# KiCad board porcupine_6x3_routed.kicad_pcb (continued)
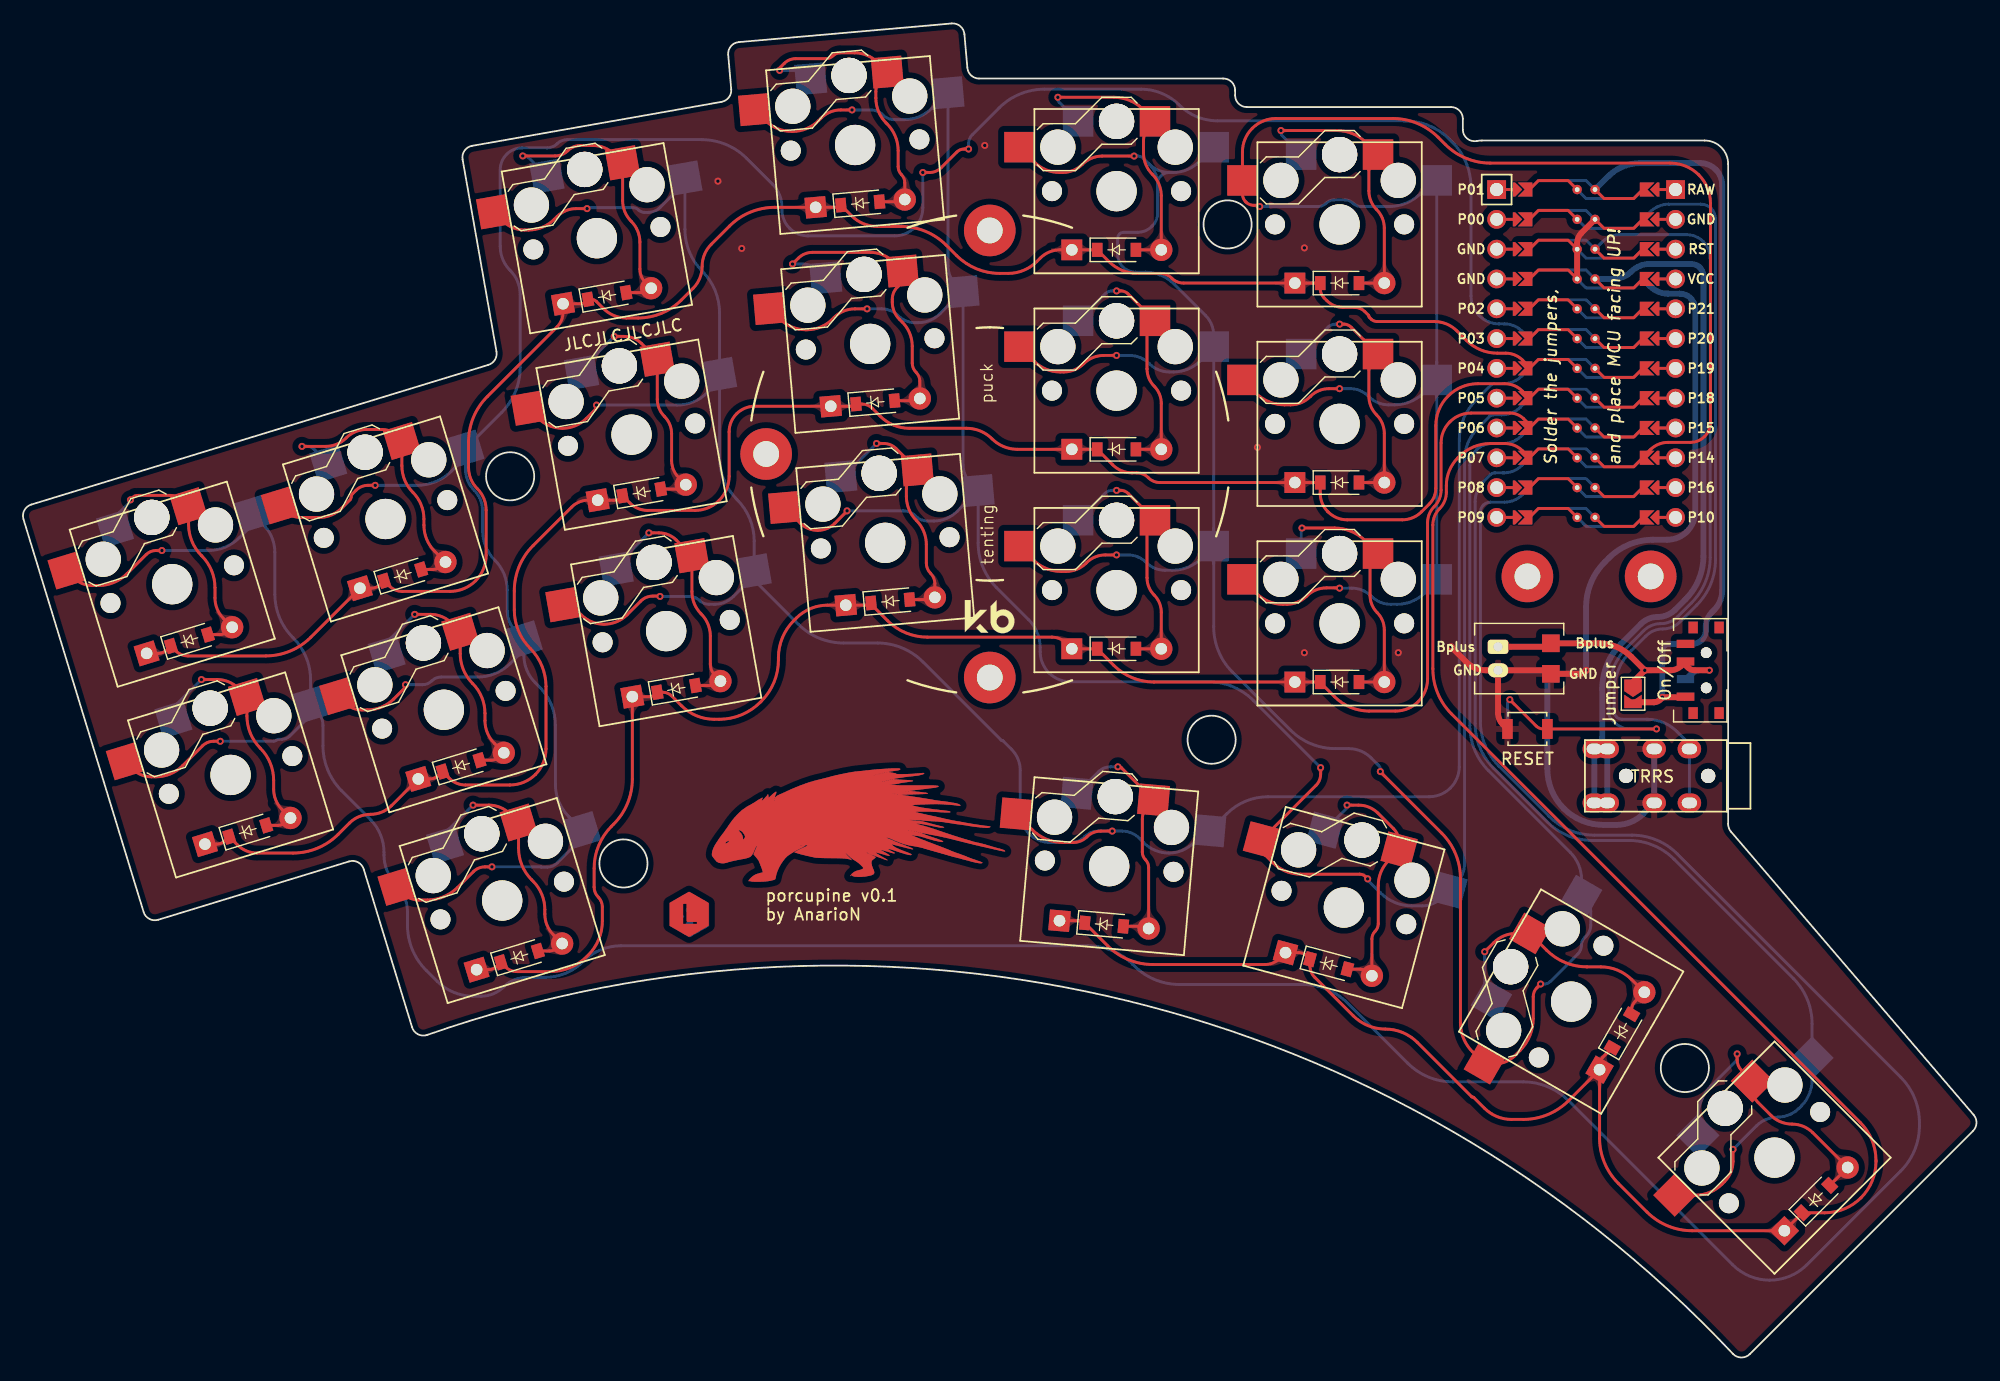
[diagram p0: board, top side]
## Copper pours and planes (outline as drawn; the poured copper is in the pictures) (continued)
far_thumb on Top: 154.14,14.76 154.31,14.91 154.46,15.02 154.61,15.09 154.75,15.13 154.89,15.16 155.03,15.17 155.18,15.18 155.34,15.2 155.51,15.24 155.71,15.3 155.74,16.53 154.5,16.51 154.44,16.31 154.41,16.13 154.39,15.97 154.38,15.82 154.36,15.68 154.34,15.54 154.29,15.4 154.22,15.26 154.12,15.11 153.96,14.94
far_thumb on Top: 153.96,17.45 154.12,17.28 154.22,17.13 154.29,16.99 154.34,16.85 154.36,16.71 154.38,16.57 154.39,16.42 154.41,16.26 154.44,16.08 154.5,15.88 155.74,15.86 155.71,17.09 155.51,17.15 155.34,17.19 155.18,17.21 155.03,17.22 154.89,17.23 154.75,17.26 154.61,17.3 154.46,17.37 154.31,17.48 154.14,17.63
far_thumb on Bottom: 154.14,14.76 154.31,14.91 154.46,15.02 154.61,15.09 154.75,15.13 154.89,15.16 155.03,15.17 155.18,15.18 155.34,15.2 155.51,15.24 155.71,15.3 155.74,16.53 154.5,16.51 154.44,16.31 154.41,16.13 154.39,15.97 154.38,15.82 154.36,15.68 154.34,15.54 154.29,15.4 154.22,15.26 154.12,15.11 153.96,14.94
home_thumb on Top: 137.12,29.67 137.14,29.85 137.2,29.97 137.29,30.06 137.4,30.11 137.54,30.13 137.69,30.15 137.86,30.15 138.04,30.16 138.21,30.19 138.39,30.23 138.41,31.47 137.12,31.13 137.12,30.95 137.1,30.8 137.07,30.67 137.04,30.55 136.96,30.31 136.93,30.19 136.9,30.04 136.88,29.87 136.87,29.67
home_thumb on Top: 136.64,32.39 136.79,32.22 136.9,32.07 136.97,31.92 137.02,31.78 137.04,31.64 137.05,31.5 137.07,31.35 137.09,31.19 137.12,31.02 137.18,30.82 138.41,30.79 138.39,32.03 138.19,32.09 138.02,32.12 137.86,32.14 137.71,32.15 137.56,32.17 137.43,32.19 137.29,32.24 137.14,32.31 136.99,32.41 136.82,32.57
home_thumb on Bottom: 137.12,29.67 137.14,29.85 137.2,29.97 137.29,30.06 137.4,30.11 137.54,30.13 137.69,30.15 137.86,30.15 138.04,30.16 138.21,30.19 138.39,30.23 138.41,31.47 137.12,31.13 137.12,30.95 137.1,30.8 137.07,30.67 137.04,30.55 136.96,30.31 136.93,30.19 136.9,30.04 136.88,29.87 136.87,29.67
index_bottom on Top: 95.03,60.28 95.25,60.27 95.44,60.23 95.59,60.18 95.72,60.11 95.83,60.03 95.94,59.94 96.06,59.84 96.18,59.74 96.33,59.64 96.51,59.54 97.4,60.4 96.51,61.26 96.33,61.16 96.18,61.06 96.06,60.96 95.94,60.86 95.83,60.77 95.72,60.69 95.59,60.62 95.44,60.57 95.25,60.54 95.03,60.53
index_bottom on Top: 96.8,62.3 96.79,62.08 96.76,61.89 96.71,61.74 96.64,61.61 96.56,61.5 96.47,61.39 96.37,61.27 96.27,61.15 96.17,61 96.07,60.82 96.93,59.93 97.79,60.82 97.69,61 97.59,61.15 97.49,61.27 97.39,61.39 97.3,61.5 97.22,61.61 97.15,61.74 97.1,61.89 97.06,62.08 97.05,62.3
index_bottom on Bottom: 95.03,60.28 95.25,60.27 95.44,60.23 95.59,60.18 95.72,60.11 95.83,60.03 95.94,59.94 96.06,59.84 96.18,59.74 96.33,59.64 96.51,59.54 97.4,60.4 96.51,61.26 96.33,61.16 96.18,61.06 96.06,60.96 95.94,60.86 95.83,60.77 95.72,60.69 95.59,60.62 95.44,60.57 95.25,60.54 95.03,60.53
index_home on Top: 95.03,77.28 95.25,77.27 95.44,77.23 95.59,77.18 95.72,77.11 95.83,77.03 95.94,76.94 96.06,76.84 96.18,76.74 96.33,76.64 96.51,76.54 97.4,77.4 96.51,78.26 96.33,78.16 96.18,78.06 96.06,77.96 95.94,77.86 95.83,77.77 95.72,77.69 95.59,77.62 95.44,77.57 95.25,77.54 95.03,77.53
index_home on Top: 96.8,79.3 96.79,79.08 96.76,78.89 96.71,78.74 96.64,78.61 96.56,78.5 96.47,78.39 96.37,78.27 96.27,78.15 96.17,78 96.07,77.82 96.93,76.93 97.79,77.82 97.69,78 97.59,78.15 97.49,78.27 97.39,78.39 97.3,78.5 97.22,78.61 97.15,78.74 97.1,78.89 97.06,79.08 97.05,79.3
index_home on Bottom: 95.03,77.28 95.25,77.27 95.44,77.23 95.59,77.18 95.72,77.11 95.83,77.03 95.94,76.94 96.06,76.84 96.18,76.74 96.33,76.64 96.51,76.54 97.4,77.4 96.51,78.26 96.33,78.16 96.18,78.06 96.06,77.96 95.94,77.86 95.83,77.77 95.72,77.69 95.59,77.62 95.44,77.57 95.25,77.54 95.03,77.53
index_top on Top: 96.8,96.3 96.79,96.08 96.76,95.89 96.71,95.74 96.64,95.61 96.56,95.5 96.47,95.39 96.37,95.27 96.27,95.15 96.17,95 96.07,94.82 96.93,93.93 97.79,94.82 97.69,95 97.59,95.15 97.49,95.27 97.39,95.39 97.3,95.5 97.22,95.61 97.15,95.74 97.1,95.89 97.06,96.08 97.05,96.3
index_top on Top: 95.03,94.28 95.25,94.27 95.44,94.23 95.59,94.18 95.72,94.11 95.83,94.03 95.94,93.94 96.06,93.84 96.18,93.74 96.33,93.64 96.51,93.54 97.4,94.4 96.51,95.26 96.33,95.16 96.18,95.06 96.06,94.96 95.94,94.86 95.83,94.77 95.72,94.69 95.59,94.62 95.44,94.57 95.25,94.54 95.03,94.53
index_top on Bottom: 95.03,94.28 95.25,94.27 95.44,94.23 95.59,94.18 95.72,94.11 95.83,94.03 95.94,93.94 96.06,93.84 96.18,93.74 96.33,93.64 96.51,93.54 97.4,94.4 96.51,95.26 96.33,95.16 96.18,95.06 96.06,94.96 95.94,94.86 95.83,94.77 95.72,94.69 95.59,94.62 95.44,94.57 95.25,94.54 95.03,94.53
inner_bottom on Top: 115.8,59.47 115.79,59.25 115.76,59.06 115.71,58.91 115.64,58.78 115.56,58.66 115.47,58.55 115.37,58.44 115.27,58.31 115.17,58.16 115.07,57.98 115.93,57.09 116.79,57.98 116.69,58.16 116.59,58.31 116.49,58.44 116.39,58.55 116.3,58.66 116.22,58.78 116.15,58.91 116.1,59.06 116.06,59.25 116.05,59.47
inner_bottom on Top: 114.03,57.44 114.25,57.43 114.44,57.4 114.59,57.35 114.72,57.28 114.83,57.2 114.94,57.11 115.06,57.01 115.18,56.91 115.33,56.81 115.51,56.71 116.4,57.57 115.51,58.43 115.33,58.33 115.18,58.23 115.06,58.13 114.94,58.03 114.83,57.94 114.72,57.86 114.59,57.79 114.44,57.74 114.25,57.71 114.03,57.69
inner_bottom on Bottom: 114.03,57.44 114.25,57.43 114.44,57.4 114.59,57.35 114.72,57.28 114.83,57.2 114.94,57.11 115.06,57.01 115.18,56.91 115.33,56.81 115.51,56.71 116.4,57.57 115.51,58.43 115.33,58.33 115.18,58.23 115.06,58.13 114.94,58.03 114.83,57.94 114.72,57.86 114.59,57.79 114.44,57.74 114.25,57.71 114.03,57.69
inner_home on Top: 115.8,76.47 115.79,76.25 115.76,76.06 115.71,75.91 115.64,75.78 115.56,75.66 115.47,75.55 115.37,75.44 115.27,75.31 115.17,75.16 115.07,74.98 115.93,74.09 116.79,74.98 116.69,75.16 116.59,75.31 116.49,75.44 116.39,75.55 116.3,75.66 116.22,75.78 116.15,75.91 116.1,76.06 116.06,76.25 116.05,76.47
inner_home on Top: 114.03,74.44 114.25,74.43 114.44,74.4 114.59,74.35 114.72,74.28 114.83,74.2 114.94,74.11 115.06,74.01 115.18,73.91 115.33,73.81 115.51,73.71 116.4,74.57 115.51,75.43 115.33,75.33 115.18,75.23 115.06,75.13 114.94,75.03 114.83,74.94 114.72,74.86 114.59,74.79 114.44,74.74 114.25,74.71 114.03,74.69
inner_home on Bottom: 114.03,74.44 114.25,74.43 114.44,74.4 114.59,74.35 114.72,74.28 114.83,74.2 114.94,74.11 115.06,74.01 115.18,73.91 115.33,73.81 115.51,73.71 116.4,74.57 115.51,75.43 115.33,75.33 115.18,75.23 115.06,75.13 114.94,75.03 114.83,74.94 114.72,74.86 114.59,74.79 114.44,74.74 114.25,74.71 114.03,74.69
inner_thumb on Top: 93.96,36.63 94.17,36.61 94.34,36.58 94.48,36.53 94.6,36.46 94.7,36.37 94.8,36.27 94.9,36.16 95,36.05 95.13,35.93 95.27,35.8 96.32,36.47 95.61,37.48 95.41,37.42 95.23,37.35 95.09,37.27 94.96,37.19 94.83,37.11 94.7,37.03 94.56,36.97 94.4,36.92 94.2,36.89 93.96,36.88
inner_thumb on Top: 95.73,38.47 95.71,38.24 95.68,38.06 95.63,37.9 95.56,37.77 95.48,37.66 95.39,37.55 95.29,37.43 95.19,37.31 95.09,37.16 94.99,36.98 95.85,36.09 96.71,36.98 96.61,37.16 96.51,37.31 96.41,37.43 96.31,37.55 96.22,37.66 96.14,37.77 96.07,37.9 96.02,38.06 95.99,38.24 95.98,38.47
inner_thumb on Bottom: 93.96,36.63 94.17,36.61 94.34,36.58 94.48,36.53 94.6,36.46 94.7,36.37 94.8,36.27 94.9,36.16 95,36.05 95.13,35.93 95.27,35.8 96.32,36.47 95.61,37.48 95.41,37.42 95.23,37.35 95.09,37.27 94.96,37.19 94.83,37.11 94.7,37.03 94.56,36.97 94.4,36.92 94.2,36.89 93.96,36.88
inner_top on Top: 115.8,93.47 115.79,93.25 115.76,93.06 115.71,92.91 115.64,92.78 115.56,92.66 115.47,92.55 115.37,92.44 115.27,92.31 115.17,92.16 115.07,91.98 115.93,91.09 116.79,91.98 116.69,92.16 116.59,92.31 116.49,92.44 116.39,92.55 116.3,92.66 116.22,92.78 116.15,92.91 116.1,93.06 116.06,93.25 116.05,93.47
inner_top on Top: 114.03,91.44 114.25,91.43 114.44,91.4 114.59,91.35 114.72,91.28 114.83,91.2 114.94,91.11 115.06,91.01 115.18,90.91 115.33,90.81 115.51,90.71 116.4,91.57 115.51,92.43 115.33,92.33 115.18,92.23 115.06,92.13 114.94,92.03 114.83,91.94 114.72,91.86 114.59,91.79 114.44,91.74 114.25,91.71 114.03,91.69
inner_top on Bottom: 114.03,91.44 114.25,91.43 114.44,91.4 114.59,91.35 114.72,91.28 114.83,91.2 114.94,91.11 115.06,91.01 115.18,90.91 115.33,90.81 115.51,90.71 116.4,91.57 115.51,92.43 115.33,92.33 115.18,92.23 115.06,92.13 114.94,92.03 114.83,91.94 114.72,91.86 114.59,91.79 114.44,91.74 114.25,91.71 114.03,91.69
middle_bottom on Top: 75.75,64.47 75.99,64.46 76.19,64.42 76.35,64.37 76.5,64.31 76.62,64.24 76.75,64.16 76.88,64.08 77.03,64 77.2,63.92 77.4,63.86 78.11,64.88 77.07,65.54 76.92,65.42 76.79,65.3 76.69,65.18 76.59,65.07 76.49,64.97 76.39,64.89 76.27,64.82 76.13,64.76 75.96,64.73 75.75,64.72
middle_bottom on Top: 77.39,66.54 77.51,66.39 77.55,66.26 77.54,66.13 77.48,66.01 77.39,65.89 77.27,65.77 77.14,65.65 77.01,65.51 76.88,65.36 76.78,65.2 77.64,64.31 78.32,65.46 78.2,65.59 78.11,65.71 78.05,65.83 78,65.95 77.96,66.06 77.92,66.18 77.87,66.3 77.8,66.43 77.7,66.57 77.57,66.72
middle_bottom on Bottom: 75.75,64.47 75.99,64.46 76.19,64.42 76.35,64.37 76.5,64.31 76.62,64.24 76.75,64.16 76.88,64.08 77.03,64 77.2,63.92 77.4,63.86 78.11,64.88 77.07,65.54 76.92,65.42 76.79,65.3 76.69,65.18 76.59,65.07 76.49,64.97 76.39,64.89 76.27,64.82 76.13,64.76 75.96,64.73 75.75,64.72
middle_home on Top: 74.47,81.42 74.71,81.41 74.91,81.38 75.07,81.33 75.21,81.26 75.34,81.19 75.47,81.11 75.6,81.03 75.74,80.95 75.91,80.88 76.12,80.81 76.83,81.83 75.78,82.49 75.63,82.37 75.51,82.25 75.4,82.13 75.31,82.03 75.21,81.93 75.11,81.84 74.99,81.77 74.85,81.72 74.68,81.68 74.47,81.67
middle_home on Top: 76.27,83.56 76.4,83.4 76.44,83.26 76.41,83.13 76.33,83 76.22,82.88 76.07,82.76 75.91,82.63 75.76,82.49 75.61,82.33 75.5,82.15 76.36,81.26 77.03,82.41 76.92,82.54 76.85,82.67 76.8,82.8 76.78,82.92 76.76,83.05 76.74,83.18 76.71,83.31 76.66,83.44 76.58,83.59 76.45,83.74
middle_home on Bottom: 74.47,81.42 74.71,81.41 74.91,81.38 75.07,81.33 75.21,81.26 75.34,81.19 75.47,81.11 75.6,81.03 75.74,80.95 75.91,80.88 76.12,80.81 76.83,81.83 75.78,82.49 75.63,82.37 75.51,82.25 75.4,82.13 75.31,82.03 75.21,81.93 75.11,81.84 74.99,81.77 74.85,81.72 74.68,81.68 74.47,81.67
middle_top on Top: 73.19,98.37 73.43,98.36 73.62,98.33 73.79,98.28 73.93,98.22 74.06,98.14 74.18,98.06 74.32,97.98 74.46,97.9 74.63,97.83 74.84,97.77 75.54,98.78 74.5,99.45 74.35,99.32 74.23,99.2 74.12,99.09 74.03,98.98 73.93,98.88 73.83,98.79 73.71,98.72 73.57,98.67 73.4,98.64 73.19,98.62
middle_top on Top: 74.94,100.49 75.06,100.33 75.1,100.19 75.08,100.07 75.01,99.94 74.9,99.82 74.76,99.7 74.61,99.57 74.46,99.43 74.33,99.28 74.22,99.1 75.08,98.21 75.75,99.36 75.64,99.49 75.56,99.62 75.51,99.75 75.48,99.87 75.45,99.99 75.43,100.12 75.39,100.24 75.33,100.38 75.25,100.52 75.12,100.67
middle_top on Bottom: 73.19,98.37 73.43,98.36 73.62,98.33 73.79,98.28 73.93,98.22 74.06,98.14 74.18,98.06 74.32,97.98 74.46,97.9 74.63,97.83 74.84,97.77 75.54,98.78 74.5,99.45 74.35,99.32 74.23,99.2 74.12,99.09 74.03,98.98 73.93,98.88 73.83,98.79 73.71,98.72 73.57,98.67 73.4,98.64 73.19,98.62
near_thumb on Top: 114.75,34.44 114.73,34.21 114.7,34.03 114.65,33.87 114.58,33.75 114.5,33.63 114.41,33.52 114.31,33.41 114.21,33.28 114.11,33.13 114.01,32.95 114.87,32.06 115.73,32.95 115.63,33.13 115.53,33.28 115.43,33.41 115.33,33.52 115.24,33.63 115.16,33.75 115.09,33.87 115.04,34.03 115.01,34.21 115,34.44
near_thumb on Top: 113.14,32.97 113.31,32.96 113.45,32.92 113.56,32.87 113.65,32.8 113.72,32.71 113.79,32.6 113.84,32.49 113.9,32.36 113.96,32.22 114.03,32.08 115.26,32.26 114.87,33.49 114.66,33.48 114.48,33.46 114.32,33.43 114.18,33.39 114.04,33.35 113.9,33.31 113.75,33.28 113.58,33.25 113.38,33.23 113.14,33.22
near_thumb on Bottom: 113.14,32.97 113.31,32.96 113.45,32.92 113.56,32.87 113.65,32.8 113.72,32.71 113.79,32.6 113.84,32.49 113.9,32.36 113.96,32.22 114.03,32.08 115.26,32.26 114.87,33.49 114.66,33.48 114.48,33.46 114.32,33.43 114.18,33.39 114.04,33.35 113.9,33.31 113.75,33.28 113.58,33.25 113.38,33.23 113.14,33.22
outer_home on Top: 21.07,45.23 21.31,45.22 21.5,45.21 21.67,45.18 21.81,45.16 22.08,45.1 22.22,45.07 22.37,45.05 22.54,45.04 22.75,45.03 23.11,46.3 21.87,46.35 21.82,46.21 21.72,45.95 21.67,45.84 21.62,45.73 21.55,45.65 21.47,45.57 21.37,45.52 21.24,45.49 21.07,45.48
outer_home on Top: 21.31,47.24 21.47,47.07 21.57,46.92 21.64,46.77 21.69,46.63 21.71,46.49 21.73,46.35 21.74,46.2 21.76,46.04 21.79,45.87 21.85,45.67 23.09,45.65 23.06,46.88 22.86,46.94 22.69,46.97 22.53,46.99 22.38,47.01 22.24,47.02 22.1,47.04 21.96,47.09 21.81,47.16 21.66,47.27 21.49,47.42
outer_home on Bottom: 21.07,45.23 21.31,45.22 21.5,45.21 21.67,45.18 21.81,45.16 22.08,45.1 22.22,45.07 22.37,45.05 22.54,45.04 22.75,45.03 23.11,46.3 21.87,46.35 21.82,46.21 21.72,45.95 21.67,45.84 21.62,45.73 21.55,45.65 21.47,45.57 21.37,45.52 21.24,45.49 21.07,45.48
outer_top on Top: 16.1,61.48 16.34,61.48 16.53,61.46 16.7,61.44 16.84,61.41 17.11,61.36 17.25,61.33 17.4,61.31 17.57,61.29 17.78,61.29 18.14,62.55 16.9,62.61 16.84,62.47 16.75,62.21 16.7,62.09 16.65,61.99 16.58,61.9 16.5,61.83 16.39,61.78 16.26,61.74 16.1,61.73
outer_top on Top: 16.34,63.5 16.5,63.33 16.6,63.17 16.67,63.03 16.72,62.89 16.74,62.75 16.76,62.61 16.77,62.46 16.79,62.3 16.82,62.12 16.88,61.93 18.11,61.9 18.09,63.14 17.89,63.2 17.72,63.23 17.56,63.25 17.41,63.26 17.27,63.28 17.13,63.3 16.99,63.35 16.84,63.42 16.69,63.52 16.52,63.67
outer_top on Bottom: 16.1,61.48 16.34,61.48 16.53,61.46 16.7,61.44 16.84,61.41 17.11,61.36 17.25,61.33 17.4,61.31 17.57,61.29 17.78,61.29 18.14,62.55 16.9,62.61 16.84,62.47 16.75,62.21 16.7,62.09 16.65,61.99 16.58,61.9 16.5,61.83 16.39,61.78 16.26,61.74 16.1,61.73
P0 on Bottom: 142.04,50.28 142.05,50.47 142.08,50.62 142.12,50.75 142.18,50.86 142.24,50.95 142.31,51.05 142.39,51.14 142.47,51.25 142.56,51.37 142.64,51.52 141.92,52.27 141.2,51.52 141.28,51.37 141.36,51.25 141.44,51.14 141.52,51.05 141.59,50.95 141.66,50.86 141.71,50.75 141.76,50.62 141.78,50.47 141.79,50.28
P0 on Bottom: 141.79,48.86 141.78,48.67 141.76,48.52 141.71,48.39 141.66,48.28 141.59,48.18 141.52,48.09 141.44,48 141.36,47.89 141.28,47.77 141.2,47.62 141.92,46.87 142.64,47.62 142.56,47.77 142.47,47.89 142.39,48 142.31,48.09 142.24,48.18 142.18,48.28 142.12,48.39 142.08,48.52 142.05,48.67 142.04,48.86
P0 on Bottom: 140.95,53.08 141.05,52.96 141.13,52.85 141.17,52.74 141.2,52.64 141.2,52.53 141.19,52.42 141.17,52.31 141.15,52.19 141.13,52.05 141.12,51.9 142.08,51.5 142.44,52.47 142.29,52.59 142.16,52.67 142.03,52.74 141.91,52.79 141.79,52.83 141.67,52.88 141.55,52.93 141.42,53.01 141.28,53.12 141.12,53.26
P4 on Top: 30.25,65.9 30.12,65.79 30,65.75 29.89,65.75 29.78,65.8 29.67,65.87 29.56,65.96 29.45,66.07 29.33,66.18 29.19,66.28 29.05,66.37 28.22,65.57 29.29,64.94 29.41,65.05 29.53,65.14 29.63,65.21 29.74,65.26 29.94,65.36 30.05,65.42 30.16,65.49 30.29,65.59 30.43,65.72
P4 on Top: 47.65,89.91 47.5,89.8 47.37,89.76 47.25,89.78 47.13,89.85 47.02,89.96 46.91,90.09 46.79,90.23 46.66,90.38 46.52,90.5 46.35,90.61 45.52,89.81 46.59,89.18 46.72,89.28 46.84,89.35 46.95,89.39 47.07,89.42 47.19,89.44 47.31,89.46 47.43,89.49 47.55,89.54 47.68,89.62 47.82,89.74
P4 on Top: 69.25,98.15 69.05,98.16 68.87,98.19 68.73,98.24 68.61,98.3 68.5,98.37 68.4,98.46 68.3,98.55 68.18,98.64 68.04,98.73 67.87,98.82 67.04,98.02 67.87,97.22 68.04,97.31 68.18,97.41 68.3,97.5 68.4,97.59 68.5,97.67 68.61,97.75 68.73,97.81 68.87,97.86 69.05,97.89 69.25,97.9
P4 on Top: 106.54,91.44 106.75,91.43 106.92,91.4 107.06,91.35 107.18,91.29 107.29,91.22 107.39,91.13 107.5,91.04 107.62,90.95 107.75,90.86 107.92,90.77 108.75,91.57 107.92,92.37 107.75,92.28 107.62,92.18 107.5,92.09 107.39,92 107.29,91.92 107.18,91.85 107.06,91.78 106.92,91.74 106.75,91.7 106.54,91.69
P4 on Top: 27.5,64.23 27.65,64.37 27.8,64.47 27.93,64.53 28.06,64.57 28.19,64.6 28.32,64.61 28.46,64.62 28.61,64.64 28.77,64.67 28.95,64.73 28.97,65.88 27.82,65.86 27.77,65.68 27.74,65.51 27.72,65.36 27.71,65.23 27.69,65.09 27.67,64.97 27.63,64.84 27.56,64.7 27.46,64.56 27.32,64.4
P4 on Top: 65.72,97.9 65.93,97.89 66.1,97.86 66.24,97.81 66.36,97.75 66.47,97.67 66.57,97.59 66.68,97.5 66.79,97.41 66.93,97.31 67.1,97.22 67.93,98.02 67.1,98.82 66.93,98.73 66.79,98.64 66.68,98.55 66.57,98.46 66.47,98.37 66.36,98.3 66.24,98.24 66.1,98.19 65.93,98.16 65.72,98.15
P4 on Top: 87.54,94.28 87.75,94.27 87.92,94.24 88.06,94.19 88.18,94.12 88.29,94.05 88.39,93.97 88.5,93.88 88.62,93.79 88.75,93.69 88.92,93.6 89.75,94.4 88.92,95.2 88.75,95.11 88.62,95.02 88.5,94.93 88.39,94.84 88.29,94.75 88.18,94.68 88.06,94.62 87.92,94.57 87.75,94.54 87.54,94.53
P4 on Top: 12.08,60.34 11.95,60.24 11.83,60.19 11.72,60.2 11.61,60.24 11.5,60.31 11.39,60.41 11.28,60.52 11.16,60.62 11.02,60.73 10.88,60.81 10.05,60.01 11.12,59.38 11.24,59.5 11.36,59.58 11.46,59.65 11.57,59.71 11.77,59.8 11.88,59.86 11.99,59.94 12.12,60.04 12.26,60.17
P4 on Top: 91.08,94.53 90.87,94.54 90.7,94.57 90.56,94.62 90.43,94.68 90.33,94.75 90.22,94.84 90.12,94.93 90,95.02 89.86,95.11 89.7,95.2 88.86,94.4 89.7,93.6 89.86,93.69 90,93.79 90.12,93.88 90.22,93.97 90.33,94.05 90.43,94.12 90.56,94.19 90.7,94.24 90.87,94.27 91.08,94.28
P4 on Top: 45.83,88.03 45.96,88.17 46.05,88.3 46.13,88.41 46.18,88.52 46.28,88.73 46.33,88.83 46.39,88.94 46.48,89.05 46.59,89.18 45.96,90.25 45.16,89.42 45.25,89.27 45.36,89.14 45.47,89.02 45.58,88.9 45.68,88.79 45.75,88.68 45.8,88.58 45.8,88.46 45.76,88.34 45.65,88.21
P4 on Top: 110.08,91.69 109.87,91.7 109.7,91.74 109.56,91.78 109.43,91.85 109.33,91.92 109.22,92 109.12,92.09 109,92.18 108.86,92.28 108.7,92.37 107.86,91.57 108.7,90.77 108.86,90.86 109,90.95 109.12,91.04 109.22,91.13 109.33,91.22 109.43,91.29 109.56,91.35 109.7,91.4 109.87,91.43 110.08,91.44
P4 on Bottom: 12.08,60.34 11.95,60.24 11.83,60.19 11.72,60.2 11.61,60.24 11.5,60.31 11.39,60.41 11.28,60.52 11.16,60.62 11.02,60.73 10.88,60.81 10.05,60.01 11.12,59.38 11.24,59.5 11.36,59.58 11.46,59.65 11.57,59.71 11.77,59.8 11.88,59.86 11.99,59.94 12.12,60.04 12.26,60.17
P4 on Bottom: 47.65,89.91 47.5,89.8 47.37,89.76 47.25,89.78 47.13,89.85 47.02,89.96 46.91,90.09 46.79,90.23 46.66,90.38 46.52,90.5 46.35,90.61 45.52,89.81 46.59,89.18 46.72,89.28 46.84,89.35 46.95,89.39 47.07,89.42 47.19,89.44 47.31,89.46 47.43,89.49 47.55,89.54 47.68,89.62 47.82,89.74
P4 on Bottom: 110.08,91.69 109.87,91.7 109.7,91.74 109.56,91.78 109.43,91.85 109.33,91.92 109.22,92 109.12,92.09 109,92.18 108.86,92.28 108.7,92.37 107.86,91.57 108.7,90.77 108.86,90.86 109,90.95 109.12,91.04 109.22,91.13 109.33,91.22 109.43,91.29 109.56,91.35 109.7,91.4 109.87,91.43 110.08,91.44
P4 on Bottom: 69.25,98.15 69.05,98.16 68.87,98.19 68.73,98.24 68.61,98.3 68.5,98.37 68.4,98.46 68.3,98.55 68.18,98.64 68.04,98.73 67.87,98.82 67.04,98.02 67.87,97.22 68.04,97.31 68.18,97.41 68.3,97.5 68.4,97.59 68.5,97.67 68.61,97.75 68.73,97.81 68.87,97.86 69.05,97.89 69.25,97.9
P4 on Bottom: 91.08,94.53 90.87,94.54 90.7,94.57 90.56,94.62 90.43,94.68 90.33,94.75 90.22,94.84 90.12,94.93 90,95.02 89.86,95.11 89.7,95.2 88.86,94.4 89.7,93.6 89.86,93.69 90,93.79 90.12,93.88 90.22,93.97 90.33,94.05 90.43,94.12 90.56,94.19 90.7,94.24 90.87,94.27 91.08,94.28
P4 on Bottom: 30.25,65.9 30.12,65.79 30,65.75 29.89,65.75 29.78,65.8 29.67,65.87 29.56,65.96 29.45,66.07 29.33,66.18 29.19,66.28 29.05,66.37 28.22,65.57 29.29,64.94 29.41,65.05 29.53,65.14 29.63,65.21 29.74,65.26 29.94,65.36 30.05,65.42 30.16,65.49 30.29,65.59 30.43,65.72
P5 on Top: 110.08,74.69 109.87,74.7 109.7,74.74 109.56,74.78 109.43,74.85 109.33,74.92 109.22,75 109.12,75.09 109,75.18 108.86,75.28 108.7,75.37 107.86,74.57 108.7,73.77 108.86,73.86 109,73.95 109.12,74.04 109.22,74.13 109.33,74.22 109.43,74.29 109.56,74.35 109.7,74.4 109.87,74.43 110.08,74.44
P5 on Top: 91.08,77.53 90.87,77.54 90.7,77.57 90.56,77.62 90.43,77.68 90.33,77.75 90.22,77.84 90.12,77.93 90,78.02 89.86,78.11 89.7,78.2 88.86,77.4 89.7,76.6 89.86,76.69 90,76.79 90.12,76.88 90.22,76.97 90.33,77.05 90.43,77.12 90.56,77.19 90.7,77.24 90.87,77.27 91.08,77.28
P5 on Top: 70.54,81.2 70.33,81.21 70.16,81.24 70.02,81.29 69.89,81.35 69.79,81.42 69.68,81.51 69.58,81.59 69.46,81.69 69.32,81.78 69.16,81.87 68.32,81.07 69.16,80.27 69.32,80.36 69.46,80.45 69.58,80.55 69.68,80.64 69.79,80.72 69.89,80.79 70.02,80.86 70.16,80.9 70.33,80.93 70.54,80.95
P5 on Top: 106.54,74.44 106.75,74.43 106.92,74.4 107.06,74.35 107.18,74.29 107.29,74.22 107.39,74.13 107.5,74.04 107.62,73.95 107.75,73.86 107.92,73.77 108.75,74.57 107.92,75.37 107.75,75.28 107.62,75.18 107.5,75.09 107.39,75 107.29,74.92 107.18,74.85 107.06,74.78 106.92,74.74 106.75,74.7 106.54,74.69
P5 on Top: 87.54,77.28 87.75,77.27 87.92,77.24 88.06,77.19 88.18,77.12 88.29,77.05 88.39,76.97 88.5,76.88 88.62,76.79 88.75,76.69 88.92,76.6 89.75,77.4 88.92,78.2 88.75,78.11 88.62,78.02 88.5,77.93 88.39,77.84 88.29,77.75 88.18,77.68 88.06,77.62 87.92,77.57 87.75,77.54 87.54,77.53
P5 on Top: 47.27,72.87 47.41,72.98 47.54,73.02 47.65,73.01 47.77,72.95 47.88,72.85 47.99,72.74 48.1,72.61 48.23,72.48 48.37,72.36 48.53,72.26 49.36,73.06 48.29,73.69 48.16,73.59 48.05,73.51 47.93,73.46 47.82,73.42 47.71,73.39 47.6,73.36 47.48,73.32 47.36,73.26 47.23,73.17 47.09,73.05
P5 on Top: 32.47,47.97 32.62,48.11 32.77,48.21 32.9,48.28 33.03,48.32 33.16,48.34 33.29,48.35 33.43,48.37 33.58,48.38 33.74,48.42 33.92,48.47 33.95,49.62 32.79,49.6 32.74,49.42 32.71,49.26 32.69,49.11 32.68,48.97 32.66,48.84 32.64,48.71 32.6,48.58 32.53,48.45 32.43,48.3 32.29,48.15
P5 on Top: 35.22,49.64 35.09,49.54 34.97,49.49 34.86,49.5 34.75,49.54 34.64,49.61 34.53,49.71 34.42,49.81 34.3,49.92 34.16,50.02 34.02,50.11 33.19,49.31 34.26,48.68 34.38,48.79 34.5,48.88 34.6,48.95 34.71,49 34.91,49.1 35.02,49.16 35.13,49.24 35.26,49.34 35.4,49.47
P5 on Top: 67,80.95 67.21,80.93 67.38,80.9 67.52,80.86 67.64,80.79 67.75,80.72 67.85,80.64 67.96,80.55 68.08,80.45 68.21,80.36 68.38,80.27 69.21,81.07 68.38,81.87 68.21,81.78 68.08,81.69 67.96,81.59 67.85,81.51 67.75,81.42 67.64,81.35 67.52,81.29 67.38,81.24 67.21,81.21 67,81.2
P5 on Top: 17.05,44.09 16.92,43.98 16.8,43.94 16.69,43.94 16.58,43.98 16.47,44.06 16.36,44.15 16.25,44.26 16.13,44.37 15.99,44.47 15.85,44.55 15.02,43.75 16.09,43.13 16.21,43.24 16.33,43.33 16.43,43.39 16.54,43.45 16.74,43.55 16.85,43.61 16.96,43.68 17.09,43.78 17.23,43.91
P5 on Top: 50.6,73.17 50.45,73.06 50.32,73.02 50.2,73.04 50.09,73.11 49.98,73.22 49.86,73.35 49.74,73.49 49.61,73.63 49.47,73.76 49.3,73.87 48.47,73.06 49.54,72.44 49.67,72.54 49.79,72.61 49.91,72.65 50.02,72.68 50.14,72.7 50.26,72.71 50.38,72.74 50.5,72.79 50.64,72.88 50.78,73
P5 on Bottom: 110.08,74.69 109.87,74.7 109.7,74.74 109.56,74.78 109.43,74.85 109.33,74.92 109.22,75 109.12,75.09 109,75.18 108.86,75.28 108.7,75.37 107.86,74.57 108.7,73.77 108.86,73.86 109,73.95 109.12,74.04 109.22,74.13 109.33,74.22 109.43,74.29 109.56,74.35 109.7,74.4 109.87,74.43 110.08,74.44
P5 on Bottom: 50.6,73.17 50.45,73.06 50.32,73.02 50.2,73.04 50.09,73.11 49.98,73.22 49.86,73.35 49.74,73.49 49.61,73.63 49.47,73.76 49.3,73.87 48.47,73.06 49.54,72.44 49.67,72.54 49.79,72.61 49.91,72.65 50.02,72.68 50.14,72.7 50.26,72.71 50.38,72.74 50.5,72.79 50.64,72.88 50.78,73
P5 on Bottom: 70.54,81.2 70.33,81.21 70.16,81.24 70.02,81.29 69.89,81.35 69.79,81.42 69.68,81.51 69.58,81.59 69.46,81.69 69.32,81.78 69.16,81.87 68.32,81.07 69.16,80.27 69.32,80.36 69.46,80.45 69.58,80.55 69.68,80.64 69.79,80.72 69.89,80.79 70.02,80.86 70.16,80.9 70.33,80.93 70.54,80.95
P5 on Bottom: 17.05,44.09 16.92,43.98 16.8,43.94 16.69,43.94 16.58,43.98 16.47,44.06 16.36,44.15 16.25,44.26 16.13,44.37 15.99,44.47 15.85,44.55 15.02,43.75 16.09,43.13 16.21,43.24 16.33,43.33 16.43,43.39 16.54,43.45 16.74,43.55 16.85,43.61 16.96,43.68 17.09,43.78 17.23,43.91
P5 on Bottom: 91.08,77.53 90.87,77.54 90.7,77.57 90.56,77.62 90.43,77.68 90.33,77.75 90.22,77.84 90.12,77.93 90,78.02 89.86,78.11 89.7,78.2 88.86,77.4 89.7,76.6 89.86,76.69 90,76.79 90.12,76.88 90.22,76.97 90.33,77.05 90.43,77.12 90.56,77.19 90.7,77.24 90.87,77.27 91.08,77.28
P5 on Bottom: 35.22,49.64 35.09,49.54 34.97,49.49 34.86,49.5 34.75,49.54 34.64,49.61 34.53,49.71 34.42,49.81 34.3,49.92 34.16,50.02 34.02,50.11 33.19,49.31 34.26,48.68 34.38,48.79 34.5,48.88 34.6,48.95 34.71,49 34.91,49.1 35.02,49.16 35.13,49.24 35.26,49.34 35.4,49.47
P6 on Top: 106.54,57.44 106.75,57.43 106.92,57.4 107.06,57.35 107.18,57.29 107.29,57.22 107.39,57.13 107.5,57.04 107.62,56.95 107.75,56.86 107.92,56.77 108.75,57.57 107.92,58.37 107.75,58.28 107.62,58.18 107.5,58.09 107.39,58 107.29,57.92 107.18,57.85 107.06,57.78 106.92,57.74 106.75,57.7 106.54,57.69
P6 on Top: 51.99,54.55 52,54.76 52.03,54.93 52.08,55.08 52.15,55.2 52.22,55.3 52.3,55.41 52.39,55.51 52.48,55.63 52.58,55.77 52.67,55.94 51.87,56.77 51.07,55.94 51.16,55.77 51.25,55.63 51.34,55.51 51.43,55.41 51.52,55.3 51.59,55.2 51.65,55.08 51.7,54.93 51.73,54.76 51.74,54.55
P6 on Top: 110.08,57.69 109.87,57.7 109.7,57.74 109.56,57.78 109.43,57.85 109.33,57.92 109.22,58 109.12,58.09 109,58.18 108.86,58.28 108.7,58.37 107.86,57.57 108.7,56.77 108.86,56.86 109,56.95 109.12,57.04 109.22,57.13 109.33,57.22 109.43,57.29 109.56,57.35 109.7,57.4 109.87,57.43 110.08,57.44
P6 on Top: 68.28,63.99 68.49,63.98 68.66,63.95 68.8,63.9 68.92,63.84 69.03,63.77 69.13,63.68 69.24,63.59 69.36,63.5 69.5,63.41 69.66,63.32 70.49,64.12 69.66,64.92 69.5,64.83 69.36,64.73 69.24,64.64 69.13,64.55 69.03,64.47 68.92,64.4 68.8,64.33 68.66,64.28 68.49,64.25 68.28,64.24
P6 on Top: 91.08,60.53 90.87,60.54 90.7,60.57 90.56,60.62 90.43,60.68 90.33,60.75 90.22,60.84 90.12,60.93 90,61.02 89.86,61.11 89.7,61.2 88.86,60.4 89.7,59.6 89.86,59.69 90,59.79 90.12,59.88 90.22,59.97 90.33,60.05 90.43,60.12 90.56,60.19 90.7,60.24 90.87,60.27 91.08,60.28
P6 on Top: 87.94,61.27 88.1,61.25 88.22,61.2 88.3,61.12 88.35,61.01 88.37,60.89 88.39,60.75 88.39,60.59 88.4,60.43 88.43,60.27 88.47,60.11 89.62,60.09 89.31,61.29 89.14,61.3 89,61.31 88.87,61.34 88.76,61.37 88.54,61.44 88.43,61.47 88.29,61.49 88.13,61.51 87.94,61.52
P6 on Top: 40.19,33.38 40.06,33.28 39.94,33.23 39.83,33.24 39.72,33.28 39.61,33.35 39.5,33.45 39.39,33.56 39.27,33.66 39.13,33.77 38.99,33.85 38.16,33.05 39.23,32.42 39.35,32.54 39.47,32.62 39.57,32.69 39.68,32.75 39.88,32.85 39.99,32.9 40.1,32.98 40.23,33.08 40.37,33.21
P6 on Top: 71.82,64.24 71.61,64.25 71.44,64.28 71.3,64.33 71.18,64.4 71.07,64.47 70.97,64.55 70.86,64.64 70.74,64.73 70.6,64.83 70.44,64.92 69.61,64.12 70.44,63.32 70.6,63.41 70.74,63.5 70.86,63.59 70.97,63.68 71.07,63.77 71.18,63.84 71.3,63.9 71.44,63.95 71.61,63.98 71.82,63.99
P6 on Top: 53.55,56.43 53.4,56.32 53.27,56.28 53.15,56.3 53.04,56.37 52.93,56.48 52.81,56.61 52.69,56.75 52.56,56.89 52.42,57.02 52.26,57.12 51.42,56.32 52.5,55.69 52.62,55.8 52.74,55.87 52.86,55.91 52.97,55.94 53.09,55.95 53.21,55.97 53.33,56 53.46,56.05 53.59,56.13 53.73,56.25
P6 on Bottom: 91.08,60.53 90.87,60.54 90.7,60.57 90.56,60.62 90.43,60.68 90.33,60.75 90.22,60.84 90.12,60.93 90,61.02 89.86,61.11 89.7,61.2 88.86,60.4 89.7,59.6 89.86,59.69 90,59.79 90.12,59.88 90.22,59.97 90.33,60.05 90.43,60.12 90.56,60.19 90.7,60.24 90.87,60.27 91.08,60.28
P6 on Bottom: 53.55,56.43 53.4,56.32 53.27,56.28 53.15,56.3 53.04,56.37 52.93,56.48 52.81,56.61 52.69,56.75 52.56,56.89 52.42,57.02 52.26,57.12 51.42,56.32 52.5,55.69 52.62,55.8 52.74,55.87 52.86,55.91 52.97,55.94 53.09,55.95 53.21,55.97 53.33,56 53.46,56.05 53.59,56.13 53.73,56.25
P6 on Bottom: 71.82,64.24 71.61,64.25 71.44,64.28 71.3,64.33 71.18,64.4 71.07,64.47 70.97,64.55 70.86,64.64 70.74,64.73 70.6,64.83 70.44,64.92 69.61,64.12 70.44,63.32 70.6,63.41 70.74,63.5 70.86,63.59 70.97,63.68 71.07,63.77 71.18,63.84 71.3,63.9 71.44,63.95 71.61,63.98 71.82,63.99
P6 on Bottom: 40.19,33.38 40.06,33.28 39.94,33.23 39.83,33.24 39.72,33.28 39.61,33.35 39.5,33.45 39.39,33.56 39.27,33.66 39.13,33.77 38.99,33.85 38.16,33.05 39.23,32.42 39.35,32.54 39.47,32.62 39.57,32.69 39.68,32.75 39.88,32.85 39.99,32.9 40.1,32.98 40.23,33.08 40.37,33.21
P6 on Bottom: 110.08,57.69 109.87,57.7 109.7,57.74 109.56,57.78 109.43,57.85 109.33,57.92 109.22,58 109.12,58.09 109,58.18 108.86,58.28 108.7,58.37 107.86,57.57 108.7,56.77 108.86,56.86 109,56.95 109.12,57.04 109.22,57.13 109.33,57.22 109.43,57.29 109.56,57.35 109.7,57.4 109.87,57.43 110.08,57.44
P7 on Top: 133.1,23.19 133.26,23.33 133.4,23.43 133.54,23.5 133.67,23.54 133.79,23.56 133.93,23.58 134.06,23.59 134.21,23.61 134.38,23.64 134.56,23.69 134.58,24.85 133.43,24.82 133.37,24.64 133.34,24.48 133.32,24.33 133.31,24.19 133.3,24.06 133.27,23.93 133.23,23.8 133.17,23.67 133.07,23.53 132.93,23.37
P7 on Top: 90.03,37.35 89.82,37.36 89.65,37.39 89.51,37.44 89.39,37.5 89.28,37.58 89.18,37.66 89.07,37.75 88.95,37.84 88.81,37.94 88.65,38.03 87.81,37.23 88.65,36.43 88.81,36.52 88.95,36.61 89.07,36.7 89.18,36.79 89.28,36.88 89.39,36.95 89.51,37.01 89.65,37.06 89.82,37.09 90.03,37.1
P7 on Top: 109.3,34.42 109.17,34.54 109.04,34.64 108.92,34.7 108.81,34.76 108.7,34.8 108.59,34.84 108.49,34.88 108.38,34.94 108.26,35.02 108.14,35.14 107.07,34.51 107.9,33.71 108.05,33.8 108.18,33.91 108.31,34.03 108.42,34.14 108.53,34.25 108.64,34.33 108.75,34.38 108.87,34.39 108.99,34.35 109.13,34.24
P7 on Top: 106.15,33.37 106.34,33.38 106.5,33.39 106.63,33.42 106.75,33.46 106.97,33.53 107.08,33.56 107.2,33.59 107.34,33.61 107.51,33.62 107.82,34.82 106.67,34.8 106.63,34.63 106.61,34.47 106.6,34.31 106.59,34.15 106.58,34.01 106.56,33.88 106.51,33.77 106.43,33.69 106.32,33.64 106.15,33.62
P7 on Top: 148.24,10.68 148.45,10.67 148.62,10.64 148.76,10.59 148.88,10.53 148.99,10.46 149.09,10.37 149.2,10.28 149.32,10.19 149.46,10.1 149.62,10.01 150.45,10.81 149.62,11.61 149.46,11.52 149.32,11.42 149.2,11.33 149.09,11.24 148.99,11.16 148.88,11.08 148.76,11.02 148.62,10.97 148.45,10.94 148.24,10.93
P7 on Top: 134.39,22.76 134.4,22.97 134.43,23.14 134.48,23.29 134.54,23.41 134.62,23.51 134.7,23.62 134.79,23.72 134.88,23.84 134.98,23.98 135.07,24.15 134.27,24.98 133.47,24.15 133.56,23.98 133.65,23.84 133.74,23.72 133.83,23.62 133.92,23.51 133.99,23.41 134.05,23.29 134.1,23.14 134.13,22.97 134.14,22.76
P7 on Top: 134.91,26.14 134.75,25.99 134.61,25.87 134.48,25.77 134.36,25.69 134.14,25.56 134.03,25.49 133.91,25.4 133.78,25.29 133.64,25.16 134.22,24.09 135.11,24.83 135.05,24.96 134.95,25.21 134.91,25.32 134.88,25.42 134.87,25.53 134.88,25.63 134.92,25.74 134.98,25.85 135.08,25.96
P7 on Top: 151.17,12.15 151.02,12.01 150.87,11.91 150.74,11.84 150.61,11.8 150.48,11.78 150.35,11.76 150.21,11.75 150.06,11.73 149.9,11.7 149.72,11.65 149.7,10.49 150.85,10.52 150.9,10.7 150.94,10.86 150.95,11.01 150.97,11.15 150.98,11.28 151,11.41 151.04,11.54 151.11,11.67 151.21,11.81 151.35,11.97
P7 on Bottom: 134.91,26.14 134.75,25.99 134.61,25.87 134.48,25.77 134.36,25.69 134.14,25.56 134.03,25.49 133.91,25.4 133.78,25.29 133.64,25.16 134.22,24.09 135.11,24.83 135.05,24.96 134.95,25.21 134.91,25.32 134.88,25.42 134.87,25.53 134.88,25.63 134.92,25.74 134.98,25.85 135.08,25.96
P7 on Bottom: 90.03,37.35 89.82,37.36 89.65,37.39 89.51,37.44 89.39,37.5 89.28,37.58 89.18,37.66 89.07,37.75 88.95,37.84 88.81,37.94 88.65,38.03 87.81,37.23 88.65,36.43 88.81,36.52 88.95,36.61 89.07,36.7 89.18,36.79 89.28,36.88 89.39,36.95 89.51,37.01 89.65,37.06 89.82,37.09 90.03,37.1
P7 on Bottom: 151.17,12.15 151.02,12.01 150.87,11.91 150.74,11.84 150.61,11.8 150.48,11.78 150.35,11.76 150.21,11.75 150.06,11.73 149.9,11.7 149.72,11.65 149.7,10.49 150.85,10.52 150.9,10.7 150.94,10.86 150.95,11.01 150.97,11.15 150.98,11.28 151,11.41 151.04,11.54 151.11,11.67 151.21,11.81 151.35,11.97
P7 on Bottom: 109.3,34.42 109.17,34.54 109.04,34.64 108.92,34.7 108.81,34.76 108.7,34.8 108.59,34.84 108.49,34.88 108.38,34.94 108.26,35.02 108.14,35.14 107.07,34.51 107.9,33.71 108.05,33.8 108.18,33.91 108.31,34.03 108.42,34.14 108.53,34.25 108.64,34.33 108.75,34.38 108.87,34.39 108.99,34.35 109.13,34.24
pinky_bottom on Top: 44.21,34.52 44.45,34.52 44.64,34.5 44.81,34.48 44.95,34.46 45.22,34.4 45.36,34.37 45.51,34.35 45.68,34.33 45.89,34.33 46.25,35.59 45.01,35.65 44.96,35.51 44.86,35.25 44.81,35.13 44.76,35.03 44.69,34.94 44.61,34.87 44.51,34.82 44.38,34.79 44.21,34.77
pinky_bottom on Top: 44.45,36.54 44.61,36.37 44.71,36.22 44.78,36.07 44.83,35.93 44.85,35.79 44.87,35.65 44.88,35.5 44.9,35.34 44.93,35.16 44.99,34.97 46.23,34.94 46.2,36.18 46,36.24 45.83,36.27 45.67,36.29 45.52,36.3 45.38,36.32 45.24,36.34 45.1,36.39 44.95,36.46 44.8,36.56 44.63,36.71
pinky_bottom on Bottom: 44.21,34.52 44.45,34.52 44.64,34.5 44.81,34.48 44.95,34.46 45.22,34.4 45.36,34.37 45.51,34.35 45.68,34.33 45.89,34.33 46.25,35.59 45.01,35.65 44.96,35.51 44.86,35.25 44.81,35.13 44.76,35.03 44.69,34.94 44.61,34.87 44.51,34.82 44.38,34.79 44.21,34.77
pinky_home on Top: 39.24,50.78 39.48,50.78 39.67,50.76 39.84,50.74 39.98,50.71 40.25,50.65 40.39,50.63 40.54,50.61 40.71,50.59 40.92,50.59 41.28,51.85 40.04,51.91 39.98,51.77 39.89,51.51 39.84,51.39 39.79,51.29 39.72,51.2 39.64,51.13 39.53,51.08 39.4,51.04 39.24,51.03
pinky_home on Top: 39.48,52.79 39.64,52.63 39.74,52.47 39.81,52.33 39.86,52.19 39.88,52.05 39.9,51.91 39.91,51.76 39.93,51.6 39.96,51.42 40.02,51.23 41.25,51.2 41.23,52.44 41.03,52.5 40.86,52.53 40.7,52.55 40.55,52.56 40.41,52.57 40.27,52.6 40.13,52.64 39.98,52.71 39.83,52.82 39.66,52.97
pinky_home on Bottom: 39.24,50.78 39.48,50.78 39.67,50.76 39.84,50.74 39.98,50.71 40.25,50.65 40.39,50.63 40.54,50.61 40.71,50.59 40.92,50.59 41.28,51.85 40.04,51.91 39.98,51.77 39.89,51.51 39.84,51.39 39.79,51.29 39.72,51.2 39.64,51.13 39.53,51.08 39.4,51.04 39.24,51.03
pinky_top on Top: 34.51,69.05 34.66,68.88 34.77,68.73 34.84,68.59 34.89,68.45 34.91,68.31 34.92,68.17 34.94,68.02 34.96,67.86 34.99,67.68 35.05,67.48 36.28,67.46 36.26,68.69 36.06,68.75 35.89,68.79 35.73,68.81 35.58,68.82 35.44,68.83 35.3,68.86 35.16,68.9 35.01,68.97 34.86,69.08 34.69,69.23
pinky_top on Top: 34.27,67.04 34.51,67.03 34.7,67.02 34.87,67 35.01,66.97 35.28,66.91 35.42,66.88 35.57,66.86 35.74,66.85 35.95,66.84 36.31,68.11 35.07,68.17 35.01,68.02 34.92,67.76 34.87,67.65 34.82,67.55 34.75,67.46 34.67,67.39 34.56,67.33 34.43,67.3 34.27,67.29
pinky_top on Bottom: 34.27,67.04 34.51,67.03 34.7,67.02 34.87,67 35.01,66.97 35.28,66.91 35.42,66.88 35.57,66.86 35.74,66.85 35.95,66.84 36.31,68.11 35.07,68.17 35.01,68.02 34.92,67.76 34.87,67.65 34.82,67.55 34.75,67.46 34.67,67.39 34.56,67.33 34.43,67.3 34.27,67.29
ring_bottom on Top: 58.39,59.2 58.39,58.99 58.39,58.81 58.4,58.65 58.41,58.14 58.42,58 58.42,57.84 58.42,57.65 59.71,57.31 59.69,58.55 59.53,58.59 59.38,58.62 59.23,58.65 59.09,58.68 58.97,58.71 58.86,58.76 58.77,58.82 58.7,58.91 58.65,59.04 58.64,59.2
ring_bottom on Top: 57.53,57.15 57.79,57.13 58,57.1 58.17,57.06 58.33,57 58.47,56.94 58.61,56.87 58.75,56.81 58.91,56.76 59.1,56.72 59.32,56.7 59.81,57.83 58.66,58.27 58.54,58.13 58.45,58 58.37,57.88 58.29,57.76 58.21,57.66 58.12,57.57 58.01,57.5 57.88,57.44 57.73,57.41 57.53,57.4
ring_bottom on Bottom: 57.53,57.15 57.79,57.13 58,57.1 58.17,57.06 58.33,57 58.47,56.94 58.61,56.87 58.75,56.81 58.91,56.76 59.1,56.72 59.32,56.7 59.81,57.83 58.66,58.27 58.54,58.13 58.45,58 58.37,57.88 58.29,57.76 58.21,57.66 58.12,57.57 58.01,57.5 57.88,57.44 57.73,57.41 57.53,57.4
ring_home on Top: 55.09,75.8 55.1,75.6 55.13,75.44 55.17,75.3 55.22,75.17 55.28,75.06 55.33,74.95 55.39,74.84 55.43,74.71 55.46,74.57 55.47,74.39 56.76,74.05 56.73,75.29 56.54,75.33 56.35,75.35 56.16,75.35 55.97,75.35 55.8,75.35 55.65,75.36 55.52,75.4 55.42,75.48 55.36,75.61 55.34,75.8
ring_home on Top: 54.58,73.89 54.84,73.88 55.05,73.85 55.22,73.8 55.38,73.74 55.52,73.68 55.66,73.61 55.8,73.55 55.96,73.5 56.15,73.46 56.37,73.44 56.86,74.57 55.7,75.02 55.59,74.88 55.5,74.74 55.41,74.62 55.33,74.5 55.25,74.4 55.17,74.31 55.06,74.24 54.93,74.18 54.78,74.15 54.58,74.14
ring_home on Bottom: 54.58,73.89 54.84,73.88 55.05,73.85 55.22,73.8 55.38,73.74 55.52,73.68 55.66,73.61 55.8,73.55 55.96,73.5 56.15,73.46 56.37,73.44 56.86,74.57 55.7,75.02 55.59,74.88 55.5,74.74 55.41,74.62 55.33,74.5 55.25,74.4 55.17,74.31 55.06,74.24 54.93,74.18 54.78,74.15 54.58,74.14
ring_top on Top: 51.63,90.63 51.88,90.62 52.09,90.59 52.27,90.54 52.42,90.48 52.57,90.42 52.7,90.36 52.85,90.29 53.01,90.24 53.2,90.2 53.42,90.18 53.91,91.32 52.75,91.76 52.64,91.62 52.54,91.48 52.46,91.36 52.38,91.24 52.3,91.14 52.21,91.05 52.11,90.98 51.98,90.93 51.82,90.89 51.63,90.88
ring_top on Top: 52.39,92.65 52.39,92.44 52.4,92.26 52.42,92.11 52.43,91.98 52.47,91.74 52.49,91.61 52.5,91.47 52.51,91.32 52.52,91.13 53.81,90.79 53.78,92.03 53.62,92.08 53.45,92.1 53.14,92.14 53.01,92.17 52.88,92.2 52.78,92.26 52.7,92.35 52.66,92.48 52.64,92.65
ring_top on Bottom: 51.63,90.63 51.88,90.62 52.09,90.59 52.27,90.54 52.42,90.48 52.57,90.42 52.7,90.36 52.85,90.29 53.01,90.24 53.2,90.2 53.42,90.18 53.91,91.32 52.75,91.76 52.64,91.62 52.54,91.48 52.46,91.36 52.38,91.24 52.3,91.14 52.21,91.05 52.11,90.98 51.98,90.93 51.82,90.89 51.63,90.88

Small or netless copper shapes (teardrops, artwork), in the pictures only: 54 on Top, 57 on Bottom

## Text on the board
B.Silkscreen: porcupine v0.1 / by AnarioN | Solder the jumpers, | and place MCU facing UP!
F.Silkscreen: porcupine v0.1 / by AnarioN | JLCJLCJLCJLC | Solder the jumpers, | and place MCU facing UP!
